# Allegro board STARRYSKY.brd (continued)
## Placement (name value [footprint] x y rotation side) (continued)
X1  8MHz 10pF 10PPM  [XTAL-4-3R20X2R50-SM]  32.99 2.26 0 top
X2  24MHz 12pF  [XTAL-4-3R20X2R50-SM]  18.19 37.09 0 top
X3  32.768KHz 12.5pF 20PPM  [XTAL-2-3R20X1R50-SM]  81.39 56.4 90 top
X4  50MHz  [XTAL-4-3R20X2R50-SM]  88.39 39.08 180 top

## Library data of the parts
C1-C192 = CAPACITOR-NON-POL
CP1 CP2 = CAPACITOR-POL
D1 = TVS_DIODE_DOUBLE
F1 = FUSE
H1-H4 = FIXING-HOLE
J1 J3 J9 J19 = USB_TYPEC
J2 J4 = DIP8-4
J5 J7 J16 = SD_MICRO
J6 J13 = ACA-SPI-004-K02
J8 = HEADER-5X2
J10 = USB_STD_TYPEA
J11 = PS2
J12 = DE-15
J14 = FPC-8
J15 J17 = PJ-342
J18 J20 = HEADER-2X1
J21 = HEADER-20X2
J22-J25 = DF40C-100DS-0.4V
L1-L7 = MAGNETIC-BEAD
L8 L9 = INDUCTOR
LED1-LED5 = LED
LED6-LED9 = WS2812C
Q1-Q3 = NMOS
R1-R185 = RESISTOR
SW1 SW2 = SW-SLIDE-SPDT
SW3 = SW-KEY-LOCK-DPDT
SW4 = SW-DIP-4
SW5 = SW-DIP-8
SW6 SW9-SW12 SW14-SW16 SW18 = SW-KEY-4
SW7 = SW-DIP-6
SW8 SW17 SW19 = SW-SLIDE-DPDT
SW13 = SW-DIP-2
TP1-TP7 = TEST_POINT
U1 U2 U4 = RT2515H
U3 = SOC-28NM-202301
U5 U48 = LPSDRAM_16/32X16
U6 = TPS3808G01
U7 U9-U12 U14 U26 U27 U29-U40 U44 U45 = WAS3157B
U8 U22 U50 = CP2102
U13 U19 U41 U53 = TXS0108E
U15 U20 U25 U42 U43 U46 U52 = TXS0102
U16 = STM/CH32F103C8T6
U17 = W25Q128JVSIQ
U18 = RCLAMP0524P
U21 = TPS2051BDBV
U23 = USB3320C
U24 = AT24C64
U28 = PCF8563B
U47 = ES8388
U49 U51 = NS4150B
X1 X2 = XTAL-CRY-4
X3 = XTAL-CRY-2
X4 = XTAL-OSC

## Footprints (pads in the part's own frame, mm; a bottom-side part is the same pattern mirrored in y, then rotated)
ACA-SPI-004-K02-SM
  rect 0.5x1.5 smd: 1(1.905,4) 2(0.635,4) 3(-0.635,4) 4(-1.905,4) 5(-1.905,-4) 6(-0.635,-4) 7(0.635,-4) 8(1.905,-4)
AEC-2-5R40X4R00-SM
  rect 2.46x0.98 smd: 1(-2.02,0) 2(2.02,0)
AV-6-2R30X1R60-SM
  rect 2.3x1.6 smd: 2(-3.65,4.55) 3(3.65,4.65) 4(-3.65,1.65) 5(3.65,-2.45) 6(-3.65,-4.05) 7(3.65,-4.65)
  round 1.31 hole 1.3: 8(0,4.55) 9(0,-2.45)
B2B-100-0R40-SM-VF
  rect 0.2x0.7 smd: A1(9.8,-1.6) A2(9.4,-1.6) A3(9,-1.6) A4(8.6,-1.6) A5(8.2,-1.6) A6(7.8,-1.6) A7(7.4,-1.6) A8(7,-1.6) A9(6.6,-1.6) A10(6.2,-1.6) A11(5.8,-1.6) A12(5.4,-1.6) A13(5,-1.6) A14(4.6,-1.6) A15(4.2,-1.6) A16(3.8,-1.6) A17(3.4,-1.6) A18(3,-1.6) A19(2.6,-1.6) A20(2.2,-1.6) A21(1.8,-1.6) A22(1.4,-1.6) A23(1,-1.6) A24(0.6,-1.6) A25(0.2,-1.6) A26(-0.2,-1.6) A27(-0.6,-1.6) A28(-1,-1.6) A29(-1.4,-1.6) A30(-1.8,-1.6) A31(-2.2,-1.6) A32(-2.6,-1.6) A33(-3,-1.6) A34(-3.4,-1.6) A35(-3.8,-1.6) A36(-4.2,-1.6) A37(-4.6,-1.6) A38(-5,-1.6) A39(-5.4,-1.6) A40(-5.8,-1.6) A41(-6.2,-1.6) A42(-6.6,-1.6) A43(-7,-1.6) A44(-7.4,-1.6) A45(-7.8,-1.6) A46(-8.2,-1.6) A47(-8.6,-1.6) A48(-9,-1.6) A49(-9.4,-1.6) A50(-9.8,-1.6) B1(9.8,1.6) B2(9.4,1.6) B3(9,1.6) B4(8.6,1.6) B5(8.2,1.6) B6(7.8,1.6) B7(7.4,1.6) B8(7,1.6) B9(6.6,1.6) B10(6.2,1.6) B11(5.8,1.6) B12(5.4,1.6) B13(5,1.6) B14(4.6,1.6) B15(4.2,1.6) B16(3.8,1.6) B17(3.4,1.6) B18(3,1.6) B19(2.6,1.6) B20(2.2,1.6) B21(1.8,1.6) B22(1.4,1.6) B23(1,1.6) B24(0.6,1.6) B25(0.2,1.6) B26(-0.2,1.6) B27(-0.6,1.6) B28(-1,1.6) B29(-1.4,1.6) B30(-1.8,1.6) B31(-2.2,1.6) B32(-2.6,1.6) B33(-3,1.6) B34(-3.4,1.6) B35(-3.8,1.6) B36(-4.2,1.6) B37(-4.6,1.6) B38(-5,1.6) B39(-5.4,1.6) B40(-5.8,1.6) B41(-6.2,1.6) B42(-6.6,1.6) B43(-7,1.6) B44(-7.4,1.6) B45(-7.8,1.6) B46(-8.2,1.6) B47(-8.6,1.6) B48(-9,1.6) B49(-9.4,1.6) B50(-9.8,1.6)
C0402
  rect 0.51x0.51 smd: 1(-0.41,0) 2(0.41,0)
DE-15-TM-RF
  round 1.7 hole 1.1: 1(4.581,1.98) 2(2.291,1.98) 3(0.001,1.98) 4(-2.289,1.98) 5(-4.579,1.98) 6(5.726,0) 7(3.436,0) 8(1.146,0) 9(-1.144,0) 10(-3.434,0) 11(4.581,-1.98) 12(2.291,-1.98) 13(0.001,-1.98) 14(-2.289,-1.98) 15(-4.579,-1.98)
  round 4.4 hole 3.4: 16(-12.5,0) 17(12.5,0)
DFN-10-0R68X0R20
  rect 0.2x0.68 smd: 1(-1,-0.437) 2(-0.5,-0.437) 4(0.5,-0.437) 5(1,-0.437) 6(1,0.437) 7(0.5,0.437) 9(-0.5,0.437) 10(-1,0.437)
  rect 0.4x0.68 smd: 3(0,-0.437) 8(0,0.437)
DIP8-4-7R62X7R62
  round 1.6 hole 1: 1(-3.81,3.81) 4(-3.81,-3.81) 5(3.81,-3.81) 8(3.81,3.81)
DIP-SW-2-1R52X0R76-SM
  rect 0.76x1.52 smd: 1(-0.635,-3.81) 2(0.635,-3.81) 3(0.635,3.81) 4(-0.635,3.81)
DIP-SW-4-1R27X0R76-SM
  rect 0.76x1.27 smd: 1(-1.905,-3.81) 2(-0.635,-3.81) 3(0.635,-3.81) 4(1.905,-3.81) 5(1.905,3.81) 6(0.635,3.81) 7(-0.635,3.81) 8(-1.905,3.81)
DIP-SW-6-1R27X0R76-SM
  rect 0.76x1.27 smd: 1(-3.175,-3.81) 2(-1.905,-3.81) 3(-0.635,-3.81) 4(0.635,-3.81) 5(1.905,-3.81) 6(3.175,-3.81) 7(3.175,3.81) 8(1.905,3.81) 9(0.635,3.81) 10(-0.635,3.81) 11(-1.905,3.81) 12(-3.175,3.81)
DIP-SW-8-1R52X0R76-SM
  rect 0.76x1.52 smd: 1(-4.445,-3.81) 2(-3.175,-3.81) 3(-1.905,-3.81) 4(-0.635,-3.81) 5(0.635,-3.81) 6(1.905,-3.81) 7(3.175,-3.81) 8(4.445,-3.81) 9(4.445,3.81) 10(3.175,3.81) 11(1.905,3.81) 12(0.635,3.81) 13(-0.635,3.81) 14(-1.905,3.81) 15(-3.175,3.81) 16(-4.445,3.81)
FBGA-54-0R36-8R00X8R00
  round 0.36 smd: A1(-3.2,3.2) A2(-2.4,3.2) A3(-1.6,3.2) A7(1.6,3.2) A8(2.4,3.2) A9(3.2,3.2) B1(-3.2,2.4) B2(-2.4,2.4) B3(-1.6,2.4) B7(1.6,2.4) B8(2.4,2.4) B9(3.2,2.4) C1(-3.2,1.6) C2(-2.4,1.6) C3(-1.6,1.6) C7(1.6,1.6) C8(2.4,1.6) C9(3.2,1.6) D1(-3.2,0.8) D2(-2.4,0.8) D3(-1.6,0.8) D7(1.6,0.8) D8(2.4,0.8) D9(3.2,0.8) E1(-3.2,0) E2(-2.4,0) E3(-1.6,0) E7(1.6,0) E8(2.4,0) E9(3.2,0) F1(-3.2,-0.8) F2(-2.4,-0.8) F3(-1.6,-0.8) F7(1.6,-0.8) F8(2.4,-0.8) F9(3.2,-0.8) G1(-3.2,-1.6) G2(-2.4,-1.6) G3(-1.6,-1.6) G7(1.6,-1.6) G8(2.4,-1.6) G9(3.2,-1.6) H1(-3.2,-2.4) H2(-2.4,-2.4) H3(-1.6,-2.4) H7(1.6,-2.4) H8(2.4,-2.4) H9(3.2,-2.4) J1(-3.2,-3.2) J2(-2.4,-3.2) J3(-1.6,-3.2) J7(1.6,-3.2) J8(2.4,-3.2) J9(3.2,-3.2)
FPC-8-0R50-1R30X0R30
  rect 0.3x1.3 smd: 1(-1.75,-1.34) 2(-1.25,-1.34) 3(-0.75,-1.34) 4(-0.25,-1.34) 5(0.25,-1.34) 6(0.75,-1.34) 7(1.25,-1.34) 8(1.75,-1.34)
  rect 2x1.6 smd: 9(3.45,1.34) 10(-3.45,1.34)
HDR5X2-2R54-TM-VF
  rect 1.6x1.6 hole 1: 1(-5.08,-1.27)
  round 1.6 hole 1: 2(-5.08,1.27) 3(-2.54,-1.27) 4(-2.54,1.27) 5(0,-1.27) 6(0,1.27) 7(2.54,-1.27) 8(2.54,1.27) 9(5.08,-1.27) 10(5.08,1.27)
HDR20X2-1R27-SM-VF
  rect 0.76x2.05 smd: 1(-12.065,-1.975) 2(-12.065,1.975) 3(-10.795,-1.975) 4(-10.795,1.975) 5(-9.525,-1.975) 6(-9.525,1.975) 7(-8.255,-1.975) 8(-8.255,1.975) 9(-6.985,-1.975) 10(-6.985,1.975) 11(-5.715,-1.975) 12(-5.715,1.975) 13(-4.445,-1.975) 14(-4.445,1.975) 15(-3.175,-1.975) 16(-3.175,1.975) 17(-1.905,-1.975) 18(-1.905,1.975) 19(-0.635,-1.975) 20(-0.635,1.975) 21(0.635,-1.975) 22(0.635,1.975) 23(1.905,-1.975) 24(1.905,1.975) 25(3.175,-1.975) 26(3.175,1.975) 27(4.445,-1.975) 28(4.445,1.975) 29(5.715,-1.975) 30(5.715,1.975) 31(6.985,-1.975) 32(6.985,1.975) 33(8.255,-1.975) 34(8.255,1.975) 35(9.525,-1.975) 36(9.525,1.975) 37(10.795,-1.975) 38(10.795,1.975) 39(12.065,-1.975) 40(12.065,1.975)
HOLE-3R10-4R10
  round 4.1 hole 3.1: 1(0,0)
L0805
  rect 1.14x1.27 smd: 1(-0.84,0) 2(0.84,0)
LED0603
  rect 0.8x0.8 smd: 1(0.75,0) 2(-0.75,0)
LED5050
  rect 1.6x1.2 smd: 1(-2.35,1.65) 2(-2.35,-1.65) 3(2.35,-1.65) 4(2.35,1.65)
LQFP-48-1R20X0R30
  rect 0.3x1.2 smd: 1(-2.75,-4.25) 2(-2.25,-4.25) 3(-1.75,-4.25) 4(-1.25,-4.25) 5(-0.75,-4.25) 6(-0.25,-4.25) 7(0.25,-4.25) 8(0.75,-4.25) 9(1.25,-4.25) 10(1.75,-4.25) 11(2.25,-4.25) 12(2.75,-4.25) 25(2.75,4.25) 26(2.25,4.25) 27(1.75,4.25) 28(1.25,4.25) 29(0.75,4.25) 30(0.25,4.25) 31(-0.25,4.25) 32(-0.75,4.25) 33(-1.25,4.25) 34(-1.75,4.25) 35(-2.25,4.25) 36(-2.75,4.25)
  rect 1.2x0.3 smd: 13(4.25,-2.75) 14(4.25,-2.25) 15(4.25,-1.75) 16(4.25,-1.25) 17(4.25,-0.75) 18(4.25,-0.25) 19(4.25,0.25) 20(4.25,0.75) 21(4.25,1.25) 22(4.25,1.75) 23(4.25,2.25) 24(4.25,2.75) 37(-4.25,2.75) 38(-4.25,2.25) 39(-4.25,1.75) 40(-4.25,1.25) 41(-4.25,0.75) 42(-4.25,0.25) 43(-4.25,-0.25) 44(-4.25,-0.75) 45(-4.25,-1.25) 46(-4.25,-1.75) 47(-4.25,-2.25) 48(-4.25,-2.75)
LQFP-144-1R80X0R28
  rect 0.28x1.8 smd: 1(-8.75,-10.75) 2(-8.25,-10.75) 3(-7.75,-10.75) 4(-7.25,-10.75) 5(-6.75,-10.75) 6(-6.25,-10.75) 7(-5.75,-10.75) 8(-5.25,-10.75) 9(-4.75,-10.75) 10(-4.25,-10.75) 11(-3.75,-10.75) 12(-3.25,-10.75) 13(-2.75,-10.75) 14(-2.25,-10.75) 15(-1.75,-10.75) 16(-1.25,-10.75) 17(-0.75,-10.75) 18(-0.25,-10.75) 19(0.25,-10.75) 20(0.75,-10.75) 21(1.25,-10.75) 22(1.75,-10.75) 23(2.25,-10.75) 24(2.75,-10.75) 25(3.25,-10.75) 26(3.75,-10.75) 27(4.25,-10.75) 28(4.75,-10.75) 29(5.25,-10.75) 30(5.75,-10.75) 31(6.25,-10.75) 32(6.75,-10.75) 33(7.25,-10.75) 34(7.75,-10.75) 35(8.25,-10.75) 36(8.75,-10.75) 73(8.75,10.75) 74(8.25,10.75) 75(7.75,10.75) 76(7.25,10.75) 77(6.75,10.75) 78(6.25,10.75) 79(5.75,10.75) 80(5.25,10.75) 81(4.75,10.75) 82(4.25,10.75) 83(3.75,10.75) 84(3.25,10.75) 85(2.75,10.75) 86(2.25,10.75) 87(1.75,10.75) 88(1.25,10.75) 89(0.75,10.75) 90(0.25,10.75) 91(-0.25,10.75) 92(-0.75,10.75) 93(-1.25,10.75) 94(-1.75,10.75) 95(-2.25,10.75) 96(-2.75,10.75) 97(-3.25,10.75) 98(-3.75,10.75) 99(-4.25,10.75) 100(-4.75,10.75) 101(-5.25,10.75) 102(-5.75,10.75) 103(-6.25,10.75) 104(-6.75,10.75) 105(-7.25,10.75) 106(-7.75,10.75) 107(-8.25,10.75) 108(-8.75,10.75)
  rect 1.8x0.28 smd: 37(10.75,-8.75) 38(10.75,-8.25) 39(10.75,-7.75) 40(10.75,-7.25) 41(10.75,-6.75) 42(10.75,-6.25) 43(10.75,-5.75) 44(10.75,-5.25) 45(10.75,-4.75) 46(10.75,-4.25) 47(10.75,-3.75) 48(10.75,-3.25) 49(10.75,-2.75) 50(10.75,-2.25) 51(10.75,-1.75) 52(10.75,-1.25) 53(10.75,-0.75) 54(10.75,-0.25) 55(10.75,0.25) 56(10.75,0.75) 57(10.75,1.25) 58(10.75,1.75) 59(10.75,2.25) 60(10.75,2.75) 61(10.75,3.25) 62(10.75,3.75) 63(10.75,4.25) 64(10.75,4.75) 65(10.75,5.25) 66(10.75,5.75) 67(10.75,6.25) 68(10.75,6.75) 69(10.75,7.25) 70(10.75,7.75) 71(10.75,8.25) 72(10.75,8.75) 109(-10.75,8.75) 110(-10.75,8.25) 111(-10.75,7.75) 112(-10.75,7.25) 113(-10.75,6.75) 114(-10.75,6.25) 115(-10.75,5.75) 116(-10.75,5.25) 117(-10.75,4.75) 118(-10.75,4.25) 119(-10.75,3.75) 120(-10.75,3.25) 121(-10.75,2.75) 122(-10.75,2.25) 123(-10.75,1.75) 124(-10.75,1.25) 125(-10.75,0.75) 126(-10.75,0.25) 127(-10.75,-0.25) 128(-10.75,-0.75) 129(-10.75,-1.25) 130(-10.75,-1.75) 131(-10.75,-2.25) 132(-10.75,-2.75) 133(-10.75,-3.25) 134(-10.75,-3.75) 135(-10.75,-4.25) 136(-10.75,-4.75) 137(-10.75,-5.25) 138(-10.75,-5.75) 139(-10.75,-6.25) 140(-10.75,-6.75) 141(-10.75,-7.25) 142(-10.75,-7.75) 143(-10.75,-8.25) 144(-10.75,-8.75)
MSOP-8-1R70X0R35
  rect 0.35x1.7 smd: 1(-0.975,-2.146) 2(-0.325,-2.146) 3(0.325,-2.146) 4(0.975,-2.146) 5(0.975,2.146) 6(0.325,2.146) 7(-0.325,2.146) 8(-0.975,2.146)
PH-2R00-TM-VM
  rect 1.6x1.6 hole 1: 1(-1,0)
  round 1.6 hole 1: 2(1,0)
PS2-6-TM-VF
  round 1.6 hole 1: 1(1.3,0.888) 2(-1.3,0.888) 3(3.4,0.888) 4(-3.4,0.888) 5(3.4,3.388) 6(-3.4,3.388)
  round 3.1 hole 2.5: 7(0,-3.388) 8(-6.85,-2.39) 9(6.85,-2.39)
QFN-28-0R66X0R22
  rect 0.22x0.66 smd: 1(-1.35,-1.933) 2(-0.9,-1.933) 3(-0.45,-1.933) 4(0,-1.933) 5(0.45,-1.933) 6(0.9,-1.933) 7(1.35,-1.933) 15(1.35,1.933) 16(0.9,1.933) 17(0.45,1.933) 18(0,1.933) 19(-0.45,1.933) 20(-0.9,1.933) 21(-1.35,1.933)
  rect 0.66x0.22 smd: 8(1.933,-1.35) 9(1.933,-0.9) 10(1.933,-0.45) 11(1.933,0) 12(1.933,0.45) 13(1.933,0.9) 14(1.933,1.35) 22(-1.933,1.35) 23(-1.933,0.9) 24(-1.933,0.45) 25(-1.933,0) 26(-1.933,-0.45) 27(-1.933,-0.9) 28(-1.933,-1.35)
  rect 2.4x2.4 smd: 29(0,0)
QFN-28-0R90X0R25
  rect 0.9x0.25 smd: 1(-2.4,1.5) 2(-2.4,1) 3(-2.4,0.5) 4(-2.4,0) 5(-2.4,-0.5) 6(-2.4,-1) 7(-2.4,-1.5) 15(2.4,-1.5) 16(2.4,-1) 17(2.4,-0.5) 18(2.4,0) 19(2.4,0.5) 20(2.4,1) 21(2.4,1.5)
  rect 0.25x0.9 smd: 8(-1.5,-2.4) 9(-1,-2.4) 10(-0.5,-2.4) 11(0,-2.4) 12(0.5,-2.4) 13(1,-2.4) 14(1.5,-2.4) 22(1.5,2.4) 23(1,2.4) 24(0.5,2.4) 25(0,2.4) 26(-0.5,2.4) 27(-1,2.4) 28(-1.5,2.4)
  rect 3.25x3.25 smd: 29(0,0)
QFN-32-0R80X0R28
  rect 0.8x0.28 smd: 1(-2.5,1.75) 2(-2.5,1.25) 3(-2.5,0.75) 4(-2.5,0.25) 5(-2.5,-0.25) 6(-2.5,-0.75) 7(-2.5,-1.25) 8(-2.5,-1.75) 17(2.5,-1.75) 18(2.5,-1.25) 19(2.5,-0.75) 20(2.5,-0.25) 21(2.5,0.25) 22(2.5,0.75) 23(2.5,1.25) 24(2.5,1.75)
  rect 0.28x0.8 smd: 9(-1.75,-2.5) 10(-1.25,-2.5) 11(-0.75,-2.5) 12(-0.25,-2.5) 13(0.25,-2.5) 14(0.75,-2.5) 15(1.25,-2.5) 16(1.75,-2.5) 25(1.75,2.5) 26(1.25,2.5) 27(0.75,2.5) 28(0.25,2.5) 29(-0.25,2.5) 30(-0.75,2.5) 31(-1.25,2.5) 32(-1.75,2.5)
  rect 3.2x3.2 smd: 33(0,0)
R0402
  rect 0.51x0.51 smd: 1(-0.41,0) 2(0.41,0)
SD-MICRO-9-SM
  rect 0.7x1.3 smd: 1(0,0) 2(-1.1,0) 3(-2.2,0) 4(-3.3,0) 5(-4.4,0) 6(-5.5,0) 7(-6.6,0) 8(-7.7,0) 9(-8.8,0)
  rect 1x1.4 smd: 10(-9.9,-0.85) 11(4.78,-0.85)
  rect 1.2x2 smd: 12(-9.9,-10.55) 13(5.62,-10.55)
  round 1.7 hole 1.1: 14(-7.09,-10.89) 15(0.91,-10.89)
SMA-2R00X1R80
  rect 2x1.8 smd: 1(-2,0) 2(2,0)
SOIC-8-1R80X0R60
  rect 0.6x1.8 smd: 1(-1.905,-2.772) 2(-0.635,-2.772) 3(0.635,-2.772) 4(1.905,-2.772) 5(1.905,2.772) 6(0.635,2.772) 7(-0.635,2.772) 8(-1.905,2.772)
SOIC-8-1R80X0R60-THRM
  rect 0.6x1.8 smd: 1(-1.905,-2.772) 2(-0.635,-2.772) 3(0.635,-2.772) 4(1.905,-2.772) 5(1.905,2.772) 6(0.635,2.772) 7(-0.635,2.772) 8(-1.905,2.772)
  rect 2.3x2.3 smd: 9(0,0)
SOIC-8-2R25X0R63
  rect 0.63x2.25 smd: 1(-1.905,-3.53) 2(-0.635,-3.53) 3(0.635,-3.53) 4(1.905,-3.53) 5(1.905,3.53) 6(0.635,3.53) 7(-0.635,3.53) 8(-1.905,3.53)
SOT-23-5-1R10X0R60
  rect 1.1x0.6 smd: 1(-1.3,0.95) 2(-1.3,0) 3(-1.3,-0.95) 4(1.3,-0.95) 5(1.3,0.95)
SOT-23-6-1R10X0R60
  rect 1.1x0.6 smd: 1(-1.3,0.95) 2(-1.3,0) 3(-1.3,-0.95) 4(1.3,-0.95) 5(1.3,0) 6(1.3,0.95)
SOT-363-6-0R80X0R40
  rect 0.4x0.8 smd: 1(-0.65,-0.97) 2(0,-0.97) 3(0.65,-0.97) 4(0.65,0.97) 5(0,0.97) 6(-0.65,0.97)
SOT-723-3-0R49X0R29
  rect 0.49x0.29 smd: 1(0.53,-0.4) 2(0.53,0.4)
  rect 0.49x0.43 smd: 3(-0.53,0)
SW-3-12R7X6R6
  round 2.4 hole 1.8: 1(0,4.7) 2(0,0) 3(0,-4.7)
SW-4-1R20X0R65-SM
  rect 1.2x0.65 smd: 1(-2.078,1.083) 2(2.077,1.083) 3(-2.078,-1.083) 4(2.077,-1.083)
SW-6-LOCK-DPDT-TM
  round 1.5 hole 0.9: 1(-2,-2.25) 2(0,-2.25) 3(2,-2.25) 4(-2,2.25) 5(0,2.25) 6(2,2.25)
SW-6-SLIDE-DPDT-TM
  rect 0.8x2 smd: 1(-2,3) 2(0,3) 3(2,3) 4(-2,-3) 5(0,-3) 6(2,-3)
  round 0.91 hole 0.9: 7(-2.25,0) 8(2.25,0)
TP1X1-1R00-SM
  round 1 smd: 1(0,0)
TSSOP-20-1R50X0R45
  rect 1.5x0.45 smd: 1(-2.9,2.925) 2(-2.9,2.275) 3(-2.9,1.625) 4(-2.9,0.975) 5(-2.9,0.325) 6(-2.9,-0.325) 7(-2.9,-0.975) 8(-2.9,-1.625) 9(-2.9,-2.275) 10(-2.9,-2.925) 11(2.9,-2.925) 12(2.9,-2.275) 13(2.9,-1.625) 14(2.9,-0.975) 15(2.9,-0.325) 16(2.9,0.325) 17(2.9,0.975) 18(2.9,1.625) 19(2.9,2.275) 20(2.9,2.925)
USB-STD-TYPEA-4-SM
  rect 1x3 smd: 1(-3.5,0) 2(-1,0) 3(1,0) 4(3.5,0)
  rect 3x6 smd: 5(-7.5,-2.7) 6(7.5,-2.7)
  round 1.9 hole 1.3: 7(-2.5,-4.4) 8(2.5,-4.4)
USB-TYPEC-12-SM
  oval 1.2x2 hole 0.7x1.7: 1(-4.32,1.765) 2(4.32,1.765)
  oval 1.2x1.8 hole 0.7x1.4: 3(-4.32,-2.415) 4(4.32,-2.415)
  round 0.71 hole 0.7: 5(-2.9,1.235) 6(2.9,1.235)
  rect 0.6x1.3 smd: A1B12(-3.2,2.415) A4B9(-2.4,2.415) B1A12(3.2,2.415) B4A9(2.4,2.415)
  rect 0.3x1.3 smd: A5(-1.25,2.415) A6(-0.25,2.415) A7(0.25,2.415) A8(1.25,2.415) B5(1.75,2.415) B6(0.75,2.415) B7(-0.75,2.415) B8(-1.75,2.415)
VSSOP-8-0R80X0R30
  rect 0.3x0.8 smd: 1(-0.75,-1.55) 2(-0.25,-1.55) 3(0.25,-1.55) 4(0.75,-1.55) 5(0.75,1.55) 6(0.25,1.55) 7(-0.25,1.55) 8(-0.75,1.55)
XTAL-2-3R20X1R50-SM
  rect 1x1.8 smd: 1(-1.25,0) 2(1.25,0)
XTAL-4-3R20X2R50-SM
  rect 1.4x1.2 smd: 1(-1.1,-0.85) 2(1.1,-0.85) 3(1.1,0.85) 4(-1.1,0.85)

## Nets
3V3_HFP_SPI1_CLK: U13.14(B6) U16.15(PA5)
3V3_HFP_SPI1_CS: U13.15(B5) U16.14(PA4)
3V3_HFP_SPI1_MISO: U13.13(B7) U16.16(PA6)
3V3_HFP_SPI1_MOSI: U13.12(B8) U16.17(PA7)
3V3_HFP_SPI2_CLK: U16.26(PB13) U17.6(CLK)
3V3_HFP_SPI2_CS: R62.2 U16.25(PB12) U17.1(C\S\)
3V3_HFP_SPI2_MISO: U16.27(PB14) U17.2(DO)
3V3_HFP_SPI2_MOSI: U16.28(PB15) U17.5(DI)
3V3_HFP_USB_DN: U9.1(B1) U16.32(PA11)
3V3_HFP_USB_DP: U7.1(B1) U16.33(PA12)
3V3_PL_AUD_ASDOUT: R153.1 U53.15(B5)
3V3_PL_AUD_DSDIN: R151.1 U53.16(B4)
3V3_PL_AUD_LRCK: R150.1 U53.17(B3)
3V3_PL_AUD_MCLK: R148.1 U53.20(B1)
3V3_PL_AUD_SCLK: R149.1 U53.18(B2)
3V3_PL_I2C_SCL: R107.1 R139.1 U24.6(SCL) U28.6(SCL) U43.8(B1)
3V3_PL_I2C_SDA: R108.1 R141.1 U24.5(SDA) U28.5(SDA) U43.1(B2)
3V3_PL_LCD_CS: J14.8(CS) U41.16(B4)
3V3_PL_LCD_DC: J14.4(RS) U41.20(B1)
3V3_PL_LCD_MOSI: J14.5(SDA) U41.18(B2)
3V3_PL_LCD_SCLK: J14.6(SCL) U41.17(B3)
3V3_PL_SPI_CLK: R155.1 U41.13(B7)
3V3_PL_SPI_CS: J16.2(CD/DAT3) R145.2 U41.15(B5)
3V3_PL_SPI_MISO: J16.7(DAT0) R157.2 U41.12(B8)
3V3_PL_SPI_MOSI: J16.3(CMD) R146.2 U41.14(B6)
3V3_PL_UART_DN: J19.A7(DN1) J19.B7(DN2) U50.5(D-)
3V3_PL_UART_DP: J19.A6(DP1) J19.B6(DP2) U50.4(D+)
3V3_PL_UART_RX: R170.2 U52.1(B2)
3V3_PL_UART_TX: R169.2 U52.8(B1)
3V3_PL_WS2812: LED7.4(DIN) U42.8(B1)
3V3_PS_UART_RX: R101.2 U20.1(B2)
3V3_PS_UART_TX: R100.2 U20.8(B1)
3V3_SOC_SPI_CLK: R51.1 U13.17(B3)
3V3_SOC_SPI_CS1: J5.2(CD/DAT3) R48.2 U13.20(B1)
3V3_SOC_SPI_MISO: J5.7(DAT0) R52.2 U13.16(B4)
3V3_SOC_SPI_MOSI: J5.3(CMD) R50.2 U13.18(B2)
3V3_SOC_UART_DN: U8.5(D-) U9.3(B0)
3V3_SOC_UART_DP: U7.3(B0) U8.4(D+)
3V3_SOC_UART_RX: R47.2 U15.1(B2)
3V3_SOC_UART_TX: R46.2 U15.8(B1)
3V3_VGA_HS: R118.2 U46.8(B1)
3V3_VGA_VS: R114.2 U46.1(B2)
5V_DC: J3.A4B9(VBUS#A4B9) J3.B4A9(VBUS#B4A9) SW2.3
5V_IN: C4.1 C5.1 C11.1 C15.1 C22.1 C23.1 C25.1 C26.1 C27.1 C28.1 C93.2 C108.1 C115.1 C116.1 C117.1 C118.1 F1.2 J11.4 J25.A46 J25.A47 J25.A48 J25.A49 J25.A50 J25.B46 J25.B47 J25.B48 J25.B49 J25.B50 L8.2 L9.2 LED6.1(VDD) LED7.1(VDD) LED8.1(VDD) LED9.1(VDD) R6.1 R12.1 R18.1 R43.1 R45.1 R95.1 R98.1 R164.1 R165.1 U1.3(VIN) U2.3(VIN) U4.3(VIN) U21.5(IN) U25.7(VCCB)
5V_PS2_CLK: J11.5 U25.1(B2)
5V_PS2_DAT: J11.1 U25.8(B1)
5V_VBUS1: J1.A4B9(VBUS#A4B9) J1.B4A9(VBUS#B4A9) SW1.1
5V_VBUS2: J9.A4B9(VBUS#A4B9) J9.B4A9(VBUS#B4A9) SW1.3
GND: C1.2 C2.2 C3.2 C4.2 C5.2 C6.2 C7.2 C8.2 C9.2 C10.2 C11.2 C12.2 C13.2 C14.2 C15.2 C16.2 C17.2 C18.2 C19.2 C20.2 C21.2 C22.2 C23.2 C24.2 C25.2 C26.2 C27.2 C28.2 C29.2 C30.2 C31.2 C32.2 C33.2 C34.2 C35.2 C36.2 C37.2 C38.2 C39.2 C40.2 C41.2 C42.2 C43.2 C44.2 C45.2 C46.2 C47.2 C48.2 C49.2 C50.2 C51.2 C52.2 C53.2 C54.2 C55.2 C56.2 C57.2 C58.2 C59.2 C60.2 C61.2 C62.2 C63.2 C64.2 C65.2 C66.2 C67.1 C68.2 C69.2 C70.2 C71.1 C72.2 C73.1 C74.2 C75.2 C76.1 C77.2 C78.2 C79.2 C80.2 C81.2 C82.1 C83.2 C84.2 C85.2 C86.2 C87.2 C88.1 C89.2 C90.1 C91.2 C92.2 C93.1 C94.2 C95.1 C96.2 C97.2 C98.2 C99.2 C100.2 C101.2 C102.2 C103.2 C104.2 C105.2 C106.2 C107.1 C108.2 C109.2 C110.2 C111.2 C112.2 C113.2 C114.2 C115.2 C116.2 C117.2 C118.2 C119.1 C120.2 C121.1 C122.2 C123.1 C124.2 C125.1 C126.2 C127.1 C129.2 C149.2 C150.2 C160.2 C161.2 C162.2 C163.2 C164.2 C165.2 C166.2 C167.2 C168.2 C181.2 C182.1 C183.2 C185.1 C186.2 C192.2 D1.1 J1.1(EP1) J1.2(EP2) J1.3(EP3) J1.4(EP4) J1.A1B12(GND#A1B12) J1.B1A12(GND#B1A12) J2.4(GND) J3.1(EP1) J3.2(EP2) J3.3(EP3) J3.4(EP4) J3.A1B12(GND#A1B12) J3.B1A12(GND#B1A12) J4.4(GND) J5.6(VSS) J5.10(LP1) J5.11(LP2) J5.12(LP3) J5.13(LP4) J6.4(GND) J7.6(VSS) J7.10(LP1) J7.11(LP2) J7.12(LP3) J7.13(LP4) J8.2 J8.10 J9.1(EP1) J9.2(EP2) J9.3(EP3) J9.4(EP4) J9.A1B12(GND#A1B12) J9.B1A12(GND#B1A12) J10.4(GND) J10.5(LP1) J10.6(LP2) J11.3 J11.7 J11.8 J11.9 J12.5 J12.6 J12.7 J12.8 J12.10 J12.16 J12.17 J13.4(GND) J14.2(GND) J14.9(LP1) J14.10(LP2) J16.6(VSS) J16.10(LP1) J16.11(LP2) J16.12(LP3) J16.13(LP4) J19.1(EP1) J19.2(EP2) J19.3(EP3) J19.4(EP4) J19.A1B12(GND#A1B12) J19.B1A12(GND#B1A12) J21.21 J21.23 J21.25 J21.27 J21.29 J21.31 J21.33 J22.A3 J22.A6 J22.A7 J22.A8 J22.A16 J22.A23 J22.A30 J22.A37 J22.A44 J22.B3 J22.B6 J22.B7 J22.B8 J22.B16 J22.B23 J22.B30 J22.B37 J22.B44 J23.A8 J23.A15 J23.A22 J23.A29 J23.A36 J23.A44 J23.A45 J23.A48 J23.B8 J23.B15 J23.B22 J23.B29 J23.B36 J23.B44 J23.B45 J23.B48 J24.A1 J24.A4 J24.A7 J24.A10 J24.A13 J24.A16 J24.A17 J24.A24 J24.A31 J24.A38 J24.A46 J24.B1 J24.B4 J24.B7 J24.B10 J24.B13 J24.B16 J24.B17 J24.B24 J24.B31 J24.B38 J24.B46 J25.A4 J25.A9 J25.A14 J25.A19 J25.A24 J25.A29 J25.A34 J25.A43 J25.A44 J25.A45 J25.B4 J25.B9 J25.B14 J25.B19 J25.B24 J25.B29 J25.B34 J25.B43 J25.B44 J25.B45 LED1.2 LED2.2 LED6.3(VSS) LED7.3(VSS) LED8.3(VSS) LED9.3(VSS) Q1.2(S) Q2.2(S) Q3.2(S) R3.1 R7.2 R9.2 R15.2 R19.2 R21.2 R23.2 R25.2 R28.2 R29.2 R31.2 R32.2 R33.2 R34.2 R35.2 R36.2 R39.2 R40.2 R41.2 R42.2 R58.2 R63.2 R71.1 R73.1 R78.1 R79.1 R80.1 R82.1 R86.1 R89.2 R93.1 R96.2 R102.1 R168.1 R179.1 R181.2 R182.2 SW6.1 SW6.2 SW8.1 SW9.3 SW9.4 SW12.3 SW12.4 SW14.3 SW14.4 SW15.1 SW15.2 SW16.1 SW16.2 SW17.1 SW18.1 SW18.2 SW19.1 TP7.1 U1.8(GND#8) U1.9(GND#9) U2.8(GND#8) U2.9(GND#9) U3.1(VSS#1) U3.19(VSS#19) U3.21(VSSIO#21) U3.52(VSS#52) U3.54(VSSIO#54) U3.69(VSS#69) U3.72(VSS#72) U3.84(VSSIO#84) U3.86(VSS#86) U3.90(VSSIO#90) U3.105(VSSIO#105) U3.108(VSS#108) U3.109(VSS#109) U3.112(VSS#112) U3.113(VSSIO#113) U3.128(VSSIO#128) U3.130(VSS#130) U4.8(GND#8) U4.9(GND#9) U5.A1(VSS#A1) U5.A3(VSSQ#A3) U5.B7(VSSQ#B7) U5.C3(VSSQ#C3) U5.D7(VSSQ#D7) U5.E3(VSS#E3) U5.J1(VSS#J1) U6.2(GND) U7.2(GND) U8.3(GND#3) U8.29(GND#29) U9.2(GND) U10.2(GND) U11.2(GND) U12.2(GND) U13.11(GND) U14.2(GND) U15.2(GND) U16.8(VSSA) U16.23(VSS_1) U16.35(VSS_2) U16.47(VSS_3) U17.4(GND) U18.3(GND#3) U18.8(GND#8) U19.11(GND) U20.2(GND) U21.2(GND) U22.3(GND#3) U22.29(GND#29) U23.33(GND) U24.1(A0) U24.2(A1) U24.3(A2) U24.4(GND) U24.7(WP) U25.2(GND) U26.2(GND) U27.2(GND) U28.4(VSS) U29.2(GND) U30.2(GND) U31.2(GND) U32.2(GND) U33.2(GND) U34.2(GND) U35.2(GND) U36.2(GND) U37.2(GND) U38.2(GND) U39.2(GND) U40.2(GND) U41.11(GND) U42.2(GND) U43.2(GND) U44.2(GND) U45.2(GND) U46.2(GND) U48.A1(VSS#A1) U48.A3(VSSQ#A3) U48.B7(VSSQ#B7) U48.C3(VSSQ#C3) U48.D7(VSSQ#D7) U48.E3(VSS#E3) U48.J1(VSS#J1) U50.3(GND#3) U50.29(GND#29) U52.2(GND) U53.11(GND) X1.2(GND#2) X1.4(GND#4) X2.2(GND#2) X2.4(GND#4) X4.2(GND)
VCC_0V9: C19.1 C20.1 C21.1 C24.1 L3.1 R4.1 R16.1 U4.6(VOUT)
VCC_1V8: C10.1 C12.1 C13.1 C14.1 C38.1 C57.1 C58.1 C59.1 C60.1 C61.1 C62.1 C63.1 C67.2 C71.2 C80.1 C88.2 C90.2 C97.1 C98.1 C99.1 C107.2 C112.1 C119.2 C121.2 C123.2 C125.2 C162.1 C163.1 C164.1 C165.1 C166.1 C167.1 C168.1 C182.2 C185.2 J6.3(WP#) J6.7(HOLD#) J6.8(VCC) J13.3(WP#) J13.7(HOLD#) J13.8(VCC) J22.A1 J22.A2 J22.A4 J22.A5 J22.B1 J22.B2 J22.B4 J22.B5 J23.A46 J23.A47 J23.A49 J23.A50 J23.B46 J23.B47 J23.B49 J23.B50 L1.2 L2.2 L4.1 R10.1 R17.1 R26.1 R27.1 R55.1 R57.1 R61.1 R69.1 R77.1 R83.1 R84.1 R85.2 R88.2 R91.1 R92.1 R106.1 R109.1 R111.1 R112.2 R115.1 R128.1 R129.1 R130.1 R131.1 R174.1 R176.1 R184.1 SW4.2(A2) SW4.3(A3) SW4.4(A4) SW5.2(A2) SW5.3(A3) SW5.4(A4) SW5.5(A5) SW5.6(A6) SW5.7(A7) SW5.8(A8) SW7.3(A3) SW7.4(A4) SW7.5(A5) SW7.6(A6) U2.6(VOUT) U5.A7(VDDQ#A7) U5.A9(VDD#A9) U5.B3(VDDQ#B3) U5.C7(VDDQ#C7) U5.D3(VDDQ#D3) U5.E7(VDD#E7) U5.J9(VDD#J9) U6.6(VDD) U13.2(VCCA) U15.3(VCCA) U19.2(VCCA) U20.3(VCCA) U23.8(REFSEL0) U23.11(REFSEL1) U23.14(REFSEL2) U23.28(VDD18#28) U23.30(VDD18#30) U23.32(VDDIO) U25.3(VCCA) U41.2(VCCA) U42.3(VCCA) U43.3(VCCA) U46.3(VCCA) U48.A7(VDDQ#A7) U48.A9(VDD#A9) U48.B3(VDDQ#B3) U48.C7(VDDQ#C7) U48.D3(VDDQ#D3) U48.E7(VDD#E7) U48.J9(VDD#J9) U52.3(VCCA) U53.2(VCCA)
VCC_3V3: C1.1 C2.1 C3.1 C6.1 C68.1 C72.1 C73.2 C76.2 C78.1 C79.1 C81.1 C82.2 C84.1 C89.1 C91.1 C104.1 C106.1 C110.1 C120.1 C122.1 C124.1 C126.1 C183.1 C186.1 J8.4 J14.7(VDD) J21.22 J21.24 J21.26 J21.28 J21.30 J21.32 J21.34 L5.2 L6.2 L7.2 R1.1 R2.2 R44.1 R62.1 R66.2 R67.2 R76.1 R81.1 R94.2 R104.1 R105.1 R107.2 R108.2 R110.1 R132.1 R133.1 R135.2 R162.1 R183.1 SW10.3 SW10.4 SW11.3 SW11.4 TP4.1 U1.6(VOUT) U7.5(VCC) U9.5(VCC) U10.5(VCC) U11.5(VCC) U12.5(VCC) U13.19(VCCB) U14.5(VCC) U15.7(VCCB) U16.9(VDDA) U16.24(VDD_1) U16.36(VDD_2) U16.48(VDD_3) U17.3(W\P\) U17.7(H\O\L\D\) U17.8(VCC) U19.19(VCCB) U20.7(VCCB) U23.21(VBAT) U24.8(VCC) U26.5(VCC) U27.5(VCC) U28.8(VDD) U29.5(VCC) U30.5(VCC) U31.5(VCC) U32.5(VCC) U33.5(VCC) U34.5(VCC) U35.5(VCC) U36.5(VCC) U37.5(VCC) U38.5(VCC) U39.5(VCC) U40.5(VCC) U41.19(VCCB) U42.7(VCCB) U43.7(VCCB) U44.5(VCC) U45.5(VCC) U46.7(VCCB) U52.7(VCCB) U53.19(VCCB)
VCC_AUD: C130.1 C133.1 C134.1 R134.2 R135.1 R136.1 R152.1 U47.16(HPVDD)
VDD: C41.1 C42.1 C43.1 C44.1 C45.1 C46.1 C47.1 C48.1 C49.1 C50.1 C51.1 C52.1 C53.1 C54.1 C55.1 C56.1 L3.2 U3.2(VDD#2) U3.20(VDD#20) U3.53(VDD#53) U3.70(VDD#70) U3.71(VDD#71) U3.85(VDD#85) U3.106(VDD#106) U3.107(VDD#107) U3.110(VDD#110) U3.111(VDD#111) U3.114(VDD#114) U3.127(VDD#127) U3.129(VDD#129)
VDDIO: C29.1 C30.1 C31.1 C32.1 C33.1 C34.1 C35.1 C36.1 C37.1 L4.2 U3.22(VDDIO#22) U3.36(VDDIO#36) U3.55(VDDIO#55) U3.83(VDDIO#83) U3.87(VDDIO#87) U3.93(VDDIO#93) U3.104(VDDIO#104) U3.116(VDDIO#116) U3.125(VDDIO#125)
AUD_ADCVREF: C171.1 C172.1 U47.19(ADCVREF)
AUD_ASDOUT: R153.2 U47.8(ASDOUT)
AUD_CE: R163.2 U47.26(CE)
AUD_DAC_LOUT1: C155.2 C159.1 J15.7
AUD_DAC_ROUT1: C176.2 C180.1 J15.6
AUD_DSDIN: R151.2 U47.6(DSDIN)
AUD_GND: C128.2 C130.2 C131.2 C132.2 C133.2 C134.2 C140.2 C142.2 C144.1 C148.2 C151.2 C152.2 C153.2 C154.1 C157.2 C158.2 C159.2 C169.2 C170.2 C171.2 C172.2 C173.2 C174.2 C175.1 C178.2 C179.2 C180.2 C184.1 C187.1 C189.1 C190.1 CP1.2 CP2.2 J15.2 J15.3 J17.2 J17.3 R156.1 R163.1 R168.2 U47.4(DGND) U47.13(HPGND) U47.18(AGND) U47.29(TP) U49.7(GND) U51.7(GND)
AUD_LIN2: C147.1 U47.22(LIN2)
AUD_LOUT1: C135.1 R138.2
AUD_LOUT2: C156.2 C158.1 R142.2
AUD_LRCK: C153.1 R150.2 U47.7(LRCK)
AUD_MCLK: C151.1 R148.2 U47.1(MCLK)
AUD_RIN2: C143.1 C145.1 U47.21(RIN2)
AUD_ROUT1: C139.1 R140.2
AUD_ROUT2: C177.2 C179.1 R147.2
AUD_SCLK: C152.1 R149.2 U47.5(SCLK)
AUD_VMID: C173.1 C174.1 U47.20(VMID)
AUD_VREF: C169.1 C170.1 U47.10(VREF)
B13_L0: J22.B9 U37.1(B1)
B13_L1_N: J22.A31
B13_L1_P: J22.A32
B13_L2_N: J22.A19 U3.82(INTERRUPT_IN)
B13_L2_P: J22.A20
B13_L3_N: J22.A35
B13_L3_P: J22.A36
B13_L4_N: J22.B35 U53.6(A5)
B13_L4_P: J22.B36
B13_L5_N: J22.A33
B13_L5_P: J22.A34
B13_L6_N: J22.A26
B13_L6_P: J22.A27
B13_L7_N: J22.B33 U53.4(A3)
B13_L7_P: J22.B34 U53.5(A4)
B13_L8_N: J22.B28 R112.1 SW18.3 SW18.4
B13_L8_P: J22.B29
B13_L9_N: J22.B24 U30.1(B1)
B13_L9_P: J22.B25 U42.5(A1)
B13_L10_N: J22.B31 U53.1(A1)
